# Allegro board BeagleBone_Green_Wireless_V1.0.brd (continued)
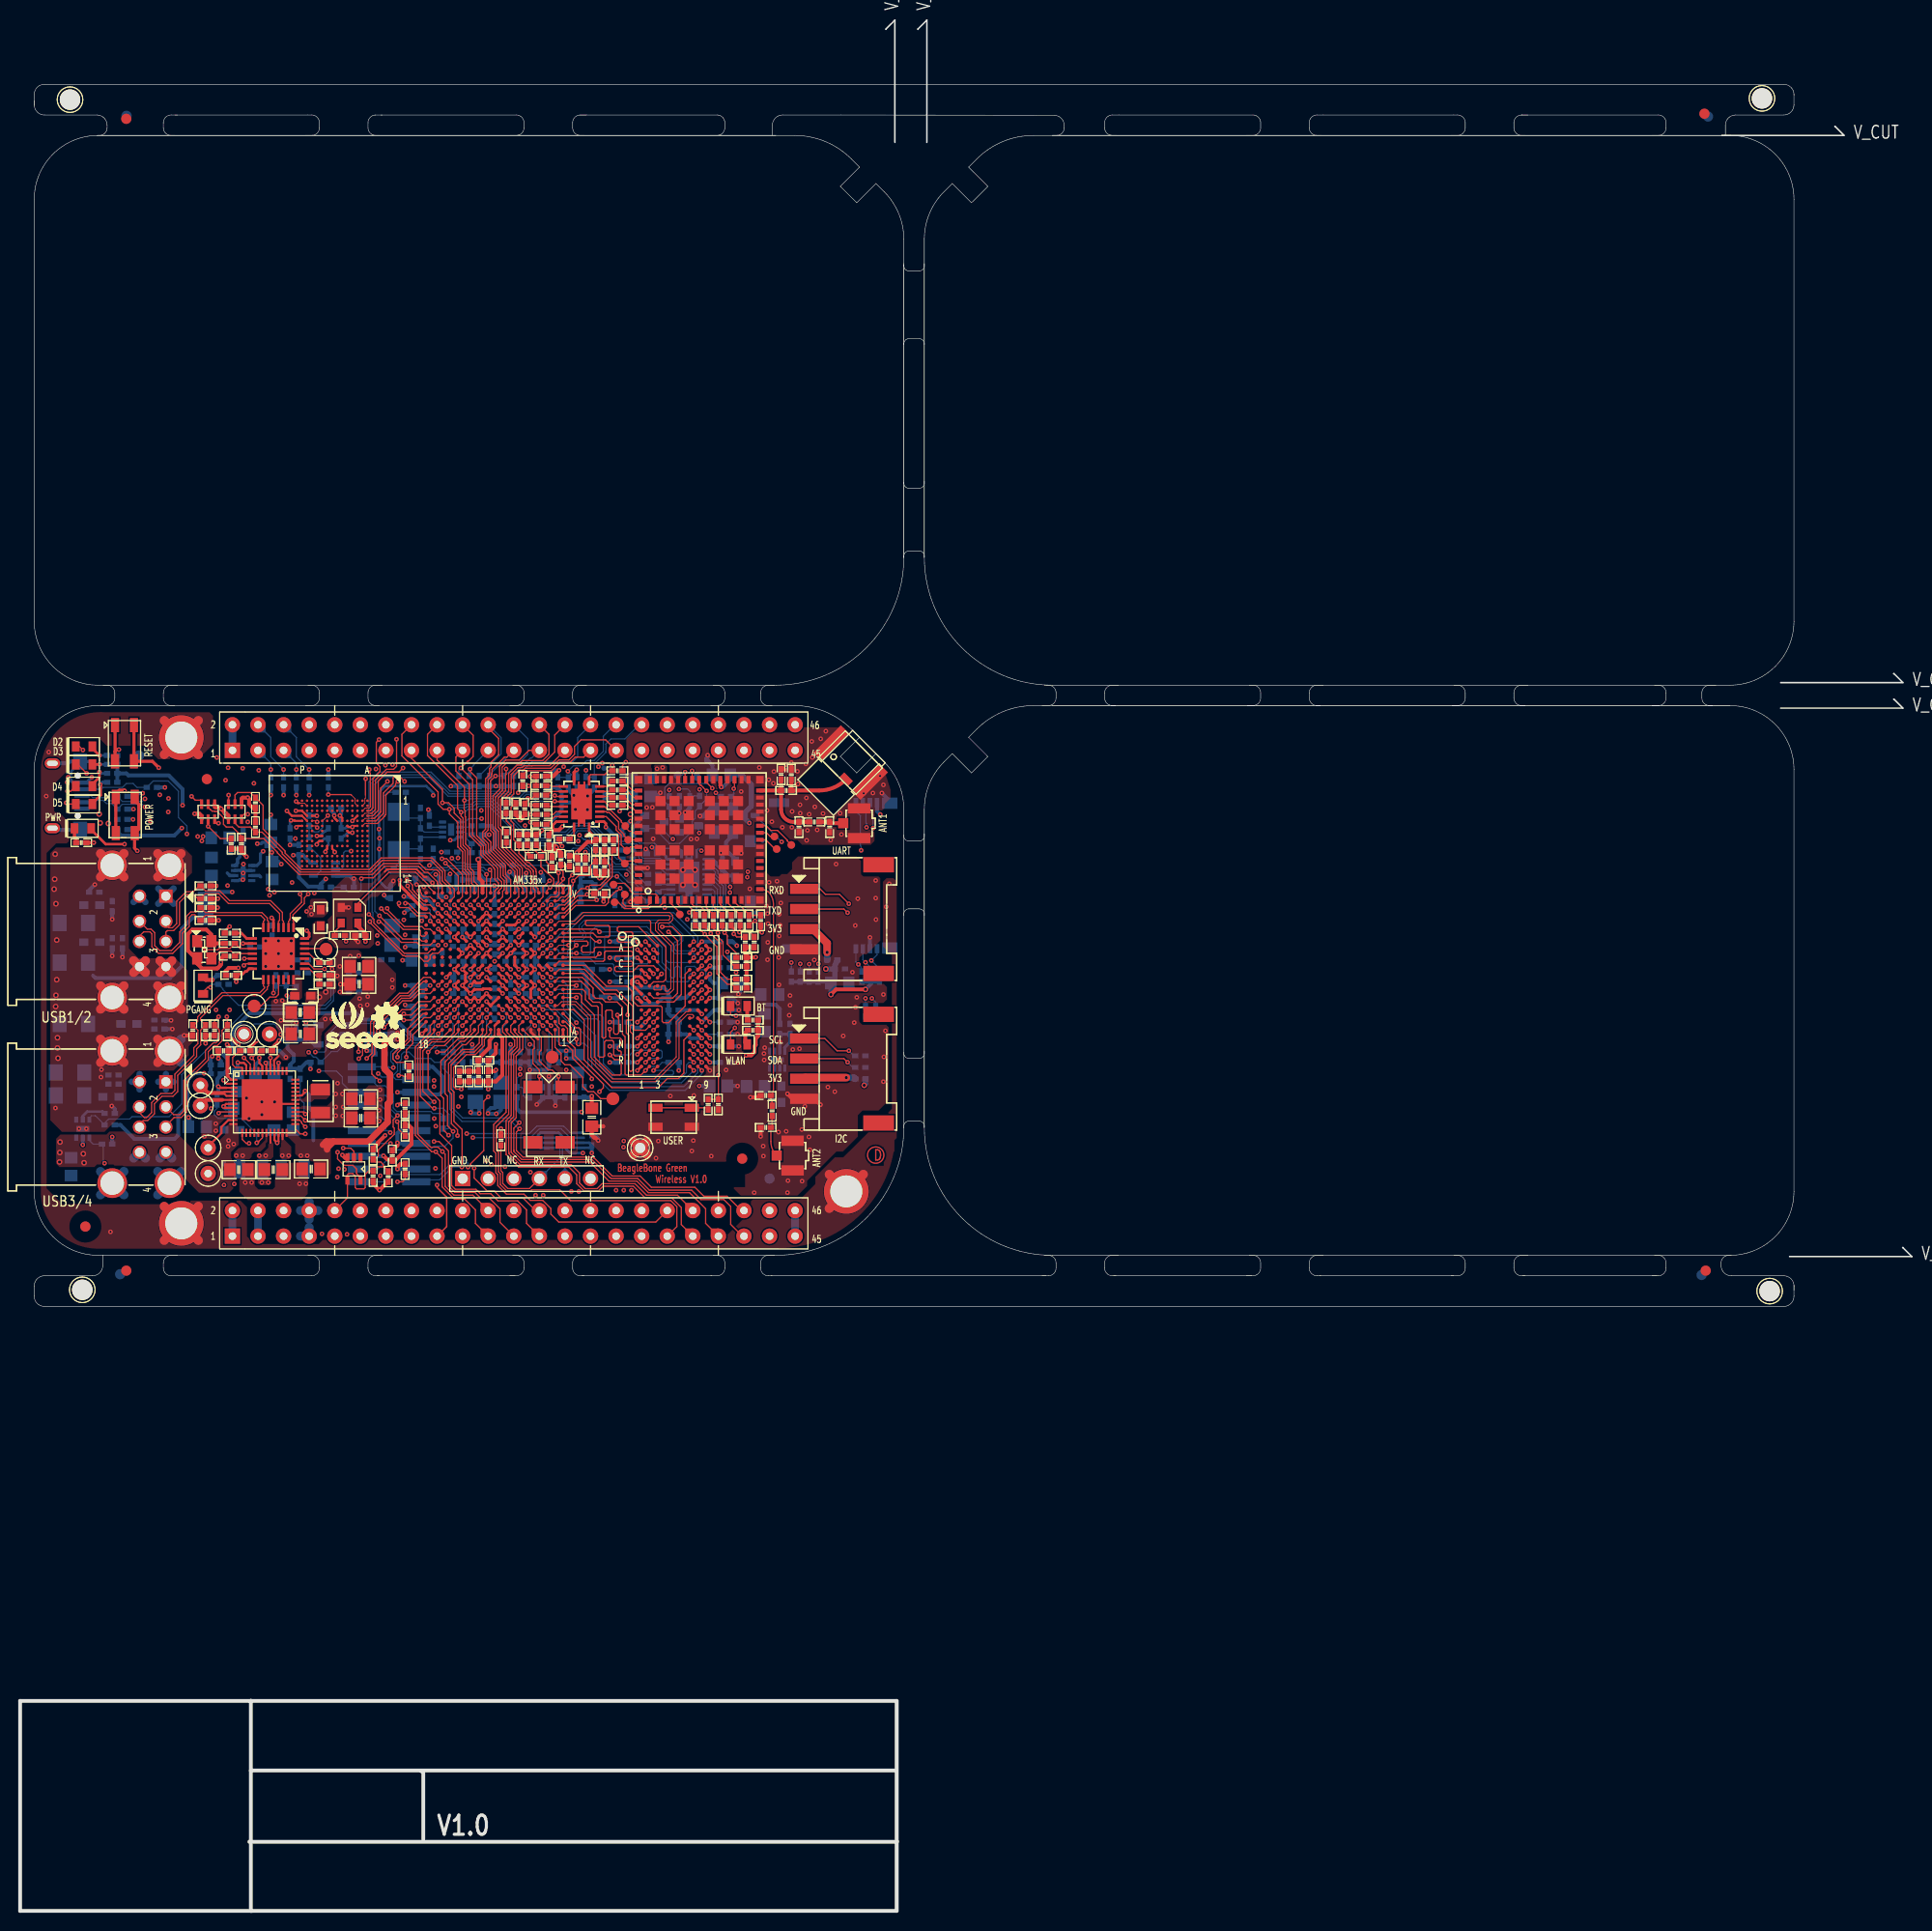
[diagram p0: board, top side]
## Routing (per net, layer and track width the routed paths; a pad name or vN(x,y) marks a point on that pad's centre or on a via; arc(x,y) is an arc through that point) (continued)
  BOTTOM w0.381: C44.2 C54.2 v1(38.23,91.94) ; P4.7 3.38,107.38 P4.8 ; P2.12 P2.10 37.71,77.51 37.46,77.26 v1(37.46,76.3) 37.53,76.24 P2.8 ; v1(67.7,89.09) U12.J8 C123.2 ; 34.42,85.45 35.18,85.45 ; 34.42,85.45 v1(34.42,85.45) ; 34.42,85.45 34.42,86.33 C62.1 35.18,86.33 35.18,85.45 ; 35.18,85.45 C64.2 ; C92.2 v1(49.66,83.65) ; C92.2 C105.2 C89.2 C91.2 C90.2 C59.2 ; C92.2 C104.2 v1(50.61,83.54) ; v1(24.99,105.16) 24.89,105.26 C126.1 ; C75.1 52.37,112.66 52.97,113.26 53.05,113.26 53.1,113.31 v1(53.52,113.31) ; v3(56.35,110.76) 57.02,111.43 R84.2 ; U7.2 31.31,87.03 30.86,86.59 v1(30.86,85.83) ; C81.2 49.28,102.67 48.74,103.2 48.62,103.2 v1(48.61,103.22) 48.49,103.1 48.49,103 48.39,102.9 C84.2 ; P10.12 77.84,95.59 ; v1(71.17,95.89) 70.76,96.29 C114.2 ; v1(69.6,105.11) 69.6,105.08 69.75,104.93 C174.2 ; C28.2 v1(58.55,93.54) ; C152.2 v1(27.43,88.24) ; v1(50.26,103.11) 50.22,103.07 50.22,102.51 C68.1 ; P10.13 86.36,110.26 v1(85.57,111.05) ; v1(38.15,99.16) 38.4,99.42 38.45,99.42 38.54,99.5 38.6,99.5 R49.1 ; P4.6 4.93,114.18 4.75,114 P4.9 ; v1(50.61,83.54) 52.27,83.54 52.51,83.79 R54.1 ; v1(50.61,83.54) R164.2 ; D21.1 v1(11.25,109.45) ; v1(71.27,90.17) 70.75,90.69 C117.2 ; C176.1 62.23,105.37 v1(62.12,105.49) ; R190.2 66.5,109.58 v1(66.04,109.12) 65.96,109.04 65.96,108.83 65.67,108.53 65.56,108.53 Q4.2 65.47,109.03 v1(65.46,109.04) 65.46,109.68 R189.2 ; C77.2 v1(37.97,94.44) ; v1(51.71,103.17) 51.71,103.08 51.92,102.87 C74.1 51.9,102.46 C76.1 ; P10.9 v1(74.22,99.07) ; v1(71.6,105.08) 71.12,105.56 C167.2 ; v1(31.19,108.81) 31.19,108.99 30.86,109.32 C130.2 ; v1(71.32,91.06) 71.5,91.24 C118.1 ; C168.1 68.76,113.8 68.36,114.2 68.12,114.2 68.12,114.45 68.28,114.6 v1(68.28,114.81) ; C173.2 60.83,107.62 61.46,108.24 61.46,108.34 61.94,108.83 Q3.2 ; R99.2 70.52,87.09 v1(71.25,87.09) ; D23.1 v1(14.38,111.61) ; v1(53.92,101.78) 53.75,101.96 R88.2 ; R80.2 54.43,111.38 v3(54.99,110.82) ; R30.1 C102.2 ; v1(64.39,86.33) C124.2 R100.2 ; R22.1 58.46,90.78 v1(58.55,90.69) C110.2 ; P2.4 v1(37.46,73.7) ; C108.2 v1(58.55,94.69) ; C125.2 v1(30.61,113.39) ; v1(42.7,103.02) 42.7,103 42.59,102.89 C80.2 ; C113.2 v1(58.55,84.29) ; v1(71.25,81.95) 71.24,81.95 C122.1 ; v1(38.23,95.74) 38.39,95.9 39.2,95.9 C45.2 C38.2 ; C191.2 v1(9.14,94.87) ; C61.1 57.28,102.84 v1(57.53,102.59) ; R29.1 41.02,104.24 v1(40.64,103.86) ; v1(9.09,79.96) 9.4,79.65 9.4,79.22 ; C111.2 v1(58.55,88.29) ; U24.5 v1(6.22,76.1) ; R170.2 v1(33.15,102.54) 33.02,102.54 32.73,102.83 U3.3 ; R197.2 67.06,98.02 66.8,98.27 ; C193.2 14.38,88.47 v1(14.99,88.47) ; C107.2 v1(58.55,96.29) ; P10.6 v1(84.39,96.71) ; v1(26.8,105.89) C158.2 ; v1(12.17,111.04) 11.75,111.04 11.43,110.72 D22.1 ; v1(38.23,90.01) 38.23,90.01 38.35,89.89 C82.2 C83.2 C85.2 ; C109.2 v1(58.55,92.29) ; v1(7.42,101.96) 6.86,101.4 C189.2 ; v1(37.46,81.32) P2.16 39.41,81.25 40.75,81.25 40.89,81.11 41.63,81.11 41.93,81.4 41.93,82.89 40.96,83.86 P2.20 ; C119.2 v1(71.37,89.49) ; C56.1 47.12,101.83 v1(47.09,101.85) 45.97,101.85 45.87,101.96 45.85,101.96 45.36,102.44 C106.2 C58.2 ; D9.2 v1(9.14,98.5) ; v1(38.1,100.79) 38.15,100.74 C86.2 ; C120.2 v1(71.37,85.89) ; 73.73,106.27 73.76,106.3 ; D12.1 v1(10.16,94.74) ; C16.2 19.94,84.43 v1(19.68,84.68) ; R96.1 v1(71.25,88.29) ; R221.1 v1(9.14,76.89) ; C121.2 v1(71.25,84.29) ; D15.2 v1(15.11,87.6) ; C170.1 63.22,110.72 v1(63.58,111.07) ; C71.1 40.49,102.59 v1(40.94,102.13) ; C69.1 36.78,101.98 37.06,102.26 v1(37.06,102.31) ; 55.3,113.34 v1(55.27,113.37) ; C112.2 v1(58.55,85.89) ; v1(45.59,79.22) 44.83,79.22 v1(44.73,79.32) 44.83,79.43 44.83,79.99 FB3.2 45.59,79.99 v1(45.59,79.22)
  BOTTOM w0.508: v1(67.51,108.76) 67.87,108.76 68.56,109.46 OSC1.2
  BOTTOM w0.635: C2.1 v1(16.71,78.82)
  BOTTOM w0.762: P9.45 P9.46 ; P8.1 P8.2 ; P9.1 P9.2
  BOTTOM w0.889: J8.S4 10.31,105.04 ; J8.S4 7.98,102.71 ; J8.S4 7.98,105.04 ; 15.99,84.27 J9.S1 15.99,86.6 ; 15.06,94.4 J8.A4 13.88,94.4 ; J8.S2 15.99,89.57 ; J8.S2 13.66,89.57 ; J8.S2 15.99,91.9 ; J8.S2 13.66,91.9 ; 10.31,91.9 J8.S3 10.31,89.57 ; 13.66,71.13 J9.S2 ; J9.S2 15.99,73.46 ; J9.S2 13.66,73.46 ; 15.06,74.78 J9.A4 13.88,74.78 ; J9.S3 10.31,73.46 ; J9.S3 10.31,71.13 ; J9.S3 7.98,73.46 ; J9.S3 7.98,71.13 ; 60.91,75.13 TP1.1 ; TP1.1 62.23,75.13 ; TP1.1 62.23,76.46 ; TP1.1 60.91,76.46 ; 12.44,94.4 J8.B4 11.26,94.4 ; 11.26,74.78 J9.B4 12.44,74.78
  vias: v1(3.51,79.76) v1(4.67,112.12) v1(5.84,77.7) v1(6.58,77.7) v1(8.03,82.83) v1(8.08,83.57) v1(11.21,108.43) v1(12.93,108.26) v1(13.87,110.87) v1(14.73,110.52) v1(14.71,109.17) v1(19.53,114.58) v1(19.46,89.51) v1(20.4,112.32) v1(20.65,113.56) v1(20.8,89.51) v1(22.1,113.51) v1(22.17,103.99) v1(22.35,72.36) v1(22.61,108.18) v1(22.99,72.36) v1(23.22,112.01) v1(23.7,113.31) v1(25.4,90.38) v1(25.91,88.47) v1(25.87,87.06) v1(26.04,90.42) v1(27.33,106.53) v1(27.75,72.24) v1(28.38,72.24) v1(29.21,101.12) v1(29.97,67.26) v1(31.75,93.83) v1(31.75,91.29) v1(32.46,67.21) v1(32.77,94.84) v1(33.63,94.89) v1(35.64,79.53) v1(35.74,81.56) v1(35.74,80.59) v1(35.66,78.47) v1(40.08,101.73) v1(42.27,95.96) v1(45.8,109.32) v1(54.23,83.54) v1(56.77,81.89) v1(62.22,109.61) v1(62.78,109.63) v1(62.87,106.5) v1(63.14,74.78) v1(63.37,76.48) v1(64.01,99.67) v1(64.57,80.95) v1(66.24,98.5) v1(66.62,106.48) v1(66.7,75.49) v1(66.9,81) v1(66.85,76.52) v1(67.21,106.5) v1(68.63,74.98) v1(70.1,83.54) v1(70.23,95.28) v1(71.09,93.22) v1(71.6,111.2) v1(72.46,101.53) v1(72.9,71.35) v1(73.41,113.59) v1(73.79,75.97) v1(73.81,74.98) v1(73.94,85.75) v1(73.86,85.17) v1(73.89,84.53) v1(74.12,99.82) v1(74.17,109.32) v1(74.24,96.22) v1(74.22,94.49) v1(74.35,112.37) v1(74.27,98.07) v1(74.37,102.18) v1(74.65,108.2) v1(74.8,112.01) v1(74.85,113.18) v1(75.16,102.29) v1(75.34,94.72) v1(75.31,77.37) v1(75.39,101.19) v1(75.39,99.01) v1(75.39,96.85) v1(75.36,92) v1(75.44,84.56) v1(75.54,100.13) v1(75.46,97.92) v1(75.69,107.65) v1(76.07,113.56) v1(76.07,77.44) v1(76.2,71.35) v1(76.25,72.54) v1(76.38,88.98) v1(76.45,90.93) v1(76.45,89.97) v1(76.63,107.65) v1(76.66,109.22) v1(76.73,85.57) v1(77.19,113.21) v1(77.24,111.94) v1(77.44,109.88) v1(77.39,85.65) v1(77.47,109.04) v1(77.62,77.62) v1(77.65,72.49) v1(77.93,79.93) v1(78.03,113.94) v1(78.08,110.57) v1(78.11,106.35) v1(78.18,107.34) v1(78.33,76.89) v1(78.36,108.94) v1(78.41,75.62) v1(78.61,116.18) v1(78.66,114.58) v1(78.92,109.68) v1(78.87,94.46) v1(79.15,107.39) v1(79.5,116.43) v1(79.73,109.02) v1(80.01,117.2) v1(80.21,81.84) v1(80.49,106.38) v1(80.9,81.38) v1(81.03,103.99) v1(81.43,109.04) v1(81.56,106.93) v1(81.74,86.92) v1(82.65,93.24) v1(82.83,88.24) v1(82.93,97.89) v1(82.96,89.76) v1(83.08,90.75) v1(83.19,100.56) v1(83.77,111.02) v1(84.68,111.05) v1(84.96,102.36) v1(84.96,100.61) v1(84.99,98.48) v1(85.39,112.75) v1(85.73,111.86) v1(85.73,91.03) v1(85.73,82.37) v1(85.78,84.84) v1(85.93,87.43) v2(3.43,102.49) v2(3.38,101.5) v2(3.48,104.98) v2(3.53,89.84) v2(3.56,100.05) v2(3.63,96.44) v2(3.63,92.51) v2(3.56,90.96) v2(3.71,86.74) v2(3.71,85.73) v2(3.76,84.71) v2(22.48,80.75) v2(22.73,78.71) v2(24,80.37) v2(24,79.1) v3(24.38,96.37) v3(24.38,95.1) v3(24.38,93.83) v3(25.65,96.37) v3(25.65,95.1) v3(25.65,93.83) v3(26.92,96.37) v3(26.92,95.1) v3(26.92,93.83) v3(55.14,109.42) v3(56.34,109.4) v3(65.82,103.42) v3(65.82,101.92) v3(67.02,103.42) v3(67.02,101.92)
GND_EARTH: length 105.4
  TOP w0.889: 14.31,66.61 MTG1.1 ; MTG1.1 17.7,70 ; MTG1.1 14.31,70 ; MTG1.1 17.7,66.61 ; 14.31,114.87 MTG3.1 ; MTG3.1 14.31,118.26 ; MTG3.1 17.7,114.87 ; MTG3.1 17.7,118.26 ; 80.35,73.17 MTG4.1 ; MTG4.1 83.74,73.17 ; MTG4.1 80.35,69.78
  LYR3 w0.889: MTG3.1 17.7,114.87 ; MTG3.1 14.31,114.87 ; MTG3.1 14.31,118.26 ; MTG3.1 17.7,118.26 ; 14.31,70 MTG1.1 ; MTG1.1 17.7,70 ; MTG1.1 14.31,66.61 ; MTG1.1 17.7,66.61 ; 80.35,69.78 MTG4.1 ; MTG4.1 80.35,73.17 ; MTG4.1 83.74,73.17
  LYR4 w0.889: MTG3.1 17.7,114.87 ; MTG3.1 14.31,114.87 ; MTG3.1 17.7,118.26 ; MTG3.1 14.31,118.26 ; 80.35,69.78 MTG4.1 ; MTG4.1 83.74,73.17 ; MTG4.1 80.35,73.17 ; 14.31,66.61 MTG1.1 ; MTG1.1 14.31,70 ; MTG1.1 17.7,66.61 ; MTG1.1 17.7,70
  BOTTOM w0.889: 14.31,66.61 MTG1.1 ; MTG1.1 17.7,66.61 ; MTG1.1 14.31,70 ; MTG1.1 17.7,70 ; 80.35,69.78 MTG4.1 ; MTG4.1 83.74,73.17 ; MTG4.1 80.35,73.17 ; 14.31,114.87 MTG3.1 ; MTG3.1 17.7,118.26 ; MTG3.1 17.7,114.87 ; MTG3.1 14.31,118.26
  vias: v1(2.59,110.74) v1(2.84,115.11) v1(8.97,67.46) v1(86,99.75) v1(86.31,102.03)
GND_OSC0: length 9
  TOP w0.381: v2(45.49,104.44) 45.59,104.34 45.59,102.57 45.92,102.24 U5.V11
  BOTTOM w0.381: v2(45.49,104.44) 45.85,104.8 R173.2 46.48,105.13 47.19,105.84 47.19,107.37 46.76,107.8 R174.2
GND_OSC1: length 7.3
  TOP w0.254: U5.A5 50.72,87.31 51.43,86.59
  BOTTOM w0.381: v1(51.31,80.11) 51.88,80.68 C21.1 52.51,80.81 ; C22.1 R30.2 ; C22.1 52.51,80.81 ; C22.1 v1(53.15,79.98) ; 52.51,80.81 v1(52.51,82.91)
GNDA_ADC: length 46.4
  TOP w0.254: v1(48.72,90.34) U5.E8
  TOP w0.305: 47.52,87.1 U5.A9
  TOP w0.381: C93.2 C33.2 C31.2 C32.2 ; C93.2 47.24,82.4 47.88,83.03 47.88,86.72 47.52,87.08 47.52,87.1 ; C93.2 v1(46.48,81.64)
  LYR4 w0.381: P9.34 60.64,68.49 58.73,68.49 57.91,69.31 57.91,69.95 55.35,72.51 55.35,73.03 54.08,74.3 51.16,74.3 48.44,77.01 48.44,79.78 46.58,81.64 v1(46.48,81.64) 46.48,84.05 47.88,85.45 47.88,87.73 47.24,88.37 47.24,89.89 47.69,90.34 v1(48.72,90.34)
  BOTTOM w0.381: FB3.1 46.23,82.27 46.48,82.02 v1(46.48,81.64)
VDD_1V8: length 15.7
  TOP w0.203: U2.40 25.26,83.95 25.22,83.99 25.22,84.48 25.67,84.94
  TOP w0.254: U5.E9 U5.D10 v1(46.32,90.34) ; U5.R16 41.54,99.11 v1(41.48,99.11) ; v1(41.52,97.54) U5.N16
  BOTTOM w0.305: v1(46.32,90.34) 47.01,89.64 C88.1 ; v1(41.48,99.11) 41.15,99.43 41.15,99.61 40.99,99.78 40.99,99.98 40.23,100.74 C86.1
  BOTTOM w0.381: R9.2 25.78,85.45 26.39,84.84 v1(26.39,84.79) ; 47.75,79.57 47.37,79.18 v1(47.28,79.18) 46.49,79.18 v1(46.46,79.22) 46.46,79.25 46.48,79.27 46.48,79.5 46.74,79.76 47.14,79.76 FB2.2 47.75,79.57
  vias: v1(30.3,88.6) v1(30.94,88.62) v1(35.46,96.9) v1(35.51,96.11) v1(38.1,98.45)
VDD_1V8_WIFI: length 45.1
  TOP w0.254: U21.2 57.99,108.21 58.17,108.03 v1(58.17,107.67)
  TOP w0.381: 72.14,94.72 72.14,95 71.96,95.17 71.96,95.68 R192.1 R191.1 ; 72.14,94.72 73.03,94.72 v1(73.05,94.74) ; 72.14,94.72 72.14,91.67 ; v1(69.62,111.63) 69.62,111.71 69.54,111.79 U18.38 ; R233.1 73.53,97.41 73.53,97.33 v1(73.66,97.21)
  LYR3 w0.508: v1(72.21,102.69) 72.26,102.74 v1(72.26,103.23) 72.26,107.44 72.42,107.59 v1(72.42,108.08)
  LYR4 w0.508: v1(60.62,108.27) 62.39,108.27 62.83,107.82 68.74,107.82 69.33,108.42 72.07,108.42 v1(72.42,108.08)
  BOTTOM w0.254: U22.2 68.84,104.47 69.14,104.17 69.14,103.91 69.62,103.43 C174.1
  BOTTOM w0.381: C174.1 70.33,102.84 70.83,102.84 L4.2 ; v1(69.62,111.63) 69.77,111.63 70.54,112.4 C168.2 ; v1(60.62,108.27) 59.82,107.47 C173.1 58.95,106.88 v1(58.17,107.67) ; 74.12,90.02 75.03,90.02 75.44,89.61 R214.1
  BOTTOM w0.508: C168.2 71.65,112.85 72.61,111.9 72.61,109.74 72.01,109.15 72.01,108.48 v1(72.42,108.08)
VDD_3V3_WIFI: length 37.6
  TOP w0.254: U21.19 53.24,108.21 52.91,107.87 52.91,107.37
  TOP w0.381: v1(72.09,84.99) 72.59,84.99 72.93,85.33 72.93,85.91 73.05,86.03 73.05,86.68 73.28,86.91 R230.1 R229.1 ; C175.2 52.91,107.37 53.5,107.37 v1(53.85,107.71)
  LYR4 w0.508: v1(72.09,84.99) 72.09,100.99 68.81,104.27 64.14,104.27 v1(62.74,105.66)
  BOTTOM w0.254: U22.19 64.29,104.47 64.14,104.62 64.14,104.75 63.88,105 63.25,105
  BOTTOM w0.381: 63.25,105 63.25,105.28 62.87,105.66 v1(62.74,105.66)
  vias: v1(59.54,109.25) v1(63.25,113.46) v1(63.8,113.59) v2(60.6,108.94)
VDD_3V3A: length 106.9
  TOP w0.203: v1(23.76,84.75) 23.76,84.23 24.06,83.93 U2.43
  TOP w0.254: U5.P11 v1(46.32,98.34) U5.P10 ; U5.E10 v1(46.32,91.14) U5.E11 v1(45.52,90.34) U5.E12 v1(44.72,90.34) U5.E13 ; U5.N5 v1(51.12,96.74) ; U5.K14 v1(43.92,95.14) U5.L14 ; U5.J14 v1(43.12,93.54) U5.H14 ; U5.P5 v1(51.12,98.34) ; U5.G14 v1(43.12,91.94) U5.F14 ; v1(49.52,98.34) U5.P7 U5.P8 ; v1(42.3,99.15) U5.R15 ; U5.P13 v1(43.92,98.34) ; U5.P12 v1(44.72,98.34) ; U5.P6 v1(50.32,98.34) ; v1(42.32,97.54) U5.N15
  TOP w0.381: R66.1 R65.1 R62.1 56.95,106.2 56.35,106.2 v1(55.3,105.14) 55.37,105.07 R61.1 55.24,104.5 55.11,104.64 55.09,104.64 54.92,104.8 R60.1 ; Y4.4 33.54,97.83 34.21,97.16 34.21,96.98 C159.1 v1(34.29,96.29) ; v1(36.25,77.04) 35.53,76.32 35.53,76.21 35.05,75.73 R14.1 ; R1.1 25.02,85.7 25.7,86.39 v1(25.7,86.46) ; R56.1 R57.1 R58.1 51.32,107.01 51.49,107.01 v1(51.81,107.34)
  LYR3 w0.381: v1(23.76,84.75) 23.62,84.62 23.62,84.33 22.91,83.62 18.85,83.62 18.44,83.21 v1(18.26,83.21)
  LYR4 w0.305: v1(24.13,105.27) 24.13,105.41 24.44,105.71 25.6,105.71 26.44,104.88 v1(27.13,104.88)
  BOTTOM w0.254: v1(42.71,106.37) 43.12,106.37 43.42,106.67 U17.8
  BOTTOM w0.305: v1(46.32,98.34) 47.01,99.03 C56.2 ; C66.1 44.02,95.78 44.02,95.24 v1(43.92,95.14) ; C70.2 43.12,91.24 v1(43.12,91.94) 43.12,92.63 C60.2 43.12,92.84 v1(43.12,93.54) ; v1(24.13,105.27) 23.86,105 23.86,104.2 23.51,103.85 U20.5 ; C72.2 46.82,90.63 v1(46.32,91.14) ; C158.1 v1(27.13,104.88)
  BOTTOM w0.381: v1(40.54,109.4) 40.56,109.4 40.64,109.32 R171.1 ; 9.4,78.08 9.96,78.08 11.35,76.68 15.32,76.68 15.7,77.06 15.7,79.02 16.64,79.96 16.64,82.55 17.3,83.21 v1(18.26,83.21) ; C75.2 R55.1 53.39,111.54 53.78,111.16 53.78,110.54 ; R59.1 C57.2 55.3,111.54 55.75,111.09 55.75,110.62 55.24,110.11 53.78,110.11 ; 55.65,102.21 55.67,102.23 56.75,102.23 R70.1 R69.1 ; 55.65,102.21 55.65,102.74 C61.2 R67.1 55.75,104.06 55.3,104.52 v1(55.3,105.14) ; 55.65,102.21 R63.1 R68.1 R64.1 ; 53.78,110.54 53.78,110.11 ; 53.78,110.54 53.79,110.54 ; 53.78,110.11 53.78,109.3 v1(51.81,107.34) ; C15.2 23.37,84.05 23.76,84.44 v1(23.76,84.75) ; v1(30.35,102.51) 29.84,102.01 R169.2 29.79,101.75 28.6,101.75 27.69,102.67 C158.1 28.07,104.88 28.81,104.13 U3.5 ; C73.2 51.23,96.84 v1(51.12,96.74) ; R156.1 25.77,86.53 v1(25.7,86.46) ; R156.1 C152.1 28.38,86.53 ; R156.1 26.54,86.46 26.54,85.7 27.18,85.06 27.18,84.43 26.8,84.05 C37.1 R3.1 28.45,84.3 R4.1 v1(28.83,83.64) ; C71.2 39.24,102.08 v1(39.37,101.96) ; R175.1 R172.1 v1(46.58,106.91) ; v1(36.14,100.91) 36.45,100.61 C69.2 ; 28.38,86.53 v1(28.38,88.24) ; 28.38,86.53 28.77,86.53 29.21,86.08 U7.4 ; C59.1 v1(44.89,86.08)
VDD_3V3AUX: length 35.5
  TOP w0.203: U2.1 20.98,82.57 20.6,82.95
  TOP w0.254: D1.2 7.05,107.42 8.5,105.97 v1(10.36,105.97)
  TOP w0.381: 20.6,82.95 20.6,84.94 20.7,85.04 C18.1 20.7,85.88 20.57,86 20.57,86.06 v1(20.55,86.08)
  LYR4 w0.254: v1(10.36,105.97) 12.07,105.97 12.37,105.67 12.37,105.66 13.03,105 13.03,89.54 13.61,88.95 16.56,88.95 19.43,86.08 v1(20.55,86.08)
VDD_3V3B: length 124.3
  TOP w0.203: v1(26.9,108.33) 27.23,108.33 27.27,108.29 U13.P5 ; U13.K9 29.7,106.29 29.46,106.05 29.46,105.96 29.46,105.95 v1(29.46,105.94) ; v1(30.32,105.21) 30.33,105.22 30.33,105.36 30.49,105.52 U13.J10 ; U13.N4 U13.P3 v1(27.38,109.29) ; U13.C6 33.11,107.79 33,107.68 v1(32.99,107.68) 32.6,107.68 U13.E6 ; v1(31.75,108.81) 31.99,108.57 U13.F5 ; U13.M4 v1(29.46,108.79)
  TOP w0.381: v2(83.95,91.54) 81.03,91.54 v2(80.52,91.03) ; v1(36.09,75.01) 36.45,74.65 36.83,74.65 C29.1 37.21,74.52 38.86,76.17 38.86,77.76 38.61,78.02 R23.1 38.23,79.22
  LYR3 w0.381: v1(56.77,75.29) 56.13,74.65 55.43,74.65 54.97,75.11 49.59,75.11 49.58,75.12 47.6,75.12 46.92,75.8 43.07,75.8 43.03,75.76 43.02,75.76 42.04,74.78 41.02,74.78 40.83,74.97 36.64,74.97 36.59,75.01 v1(36.09,75.01)
  LYR3 w0.635: v1(85.42,108.92) 85.45,108.89 85.45,104.95 81.15,100.66 81.15,94.72 v2(80.01,93.57)
  LYR4 w0.381: v1(55.75,79.36) 55.75,78.21 56.77,77.19 v1(56.77,75.29)
  LYR4 w0.508: v2(83.82,82.02) 83.82,86.08 80.52,89.38 v2(80.52,91.03)
  LYR5_PWR w0.889: 24.28,67.69 P9.3 22.96,67.69 ; 22.96,68.91 P9.4 ; P9.4 24.28,68.91 ; P9.4 22.96,70.23 ; P9.4 24.28,70.23
  BOTTOM w0.254: U15.8 56.53,75.81 C155.2 56.51,76.31 U15.7 ; v1(31.75,108.81) 31.75,108.32 31.88,108.19 C129.1 32.27,107.54 32.4,107.68 v1(32.99,107.68) ; v1(26.9,108.33) 26.8,108.23 C127.1 ; v1(29.46,105.94) 29.46,105.95 29.46,106.03 29.72,106.29 29.97,106.29 30.21,106.53 C128.1 30.61,105.88 30.49,105.77 30.49,105.52 30.33,105.36 30.33,105.22 v1(30.32,105.21)
  BOTTOM w0.381: v1(55.75,79.36) 55.74,79.35 49.66,79.35 49.34,79.67 R163.1 ; v1(31.75,108.81) 31.88,108.94 C130.1 ; v2(83.95,91.54) 84.46,92.05 R153.1 ; P2.5 35.93,74.97 35.97,75.01 v1(36.09,75.01) ; R157.2 R150.1 R155.1 R151.1 80.39,92.3 80.52,92.18 ; R101.1 R102.1 v1(47.24,111.73) R105.1 R106.1 R110.1 R109.1 v1(42.77,111.73) ; R153.1 R152.1 ; R153.1 R154.1 ; R111.1 29.44,108.81 v1(29.46,108.79) ; R104.1 v1(28.7,110.85) ; R103.1 v1(27.43,110.85) ; R107.1 v1(24.89,110.85) ; v1(85.42,108.92) 85.09,109.24 P10.4 ; R108.1 v1(26.16,110.85) ; C155.2 v1(56.77,75.29) ; C126.2 v1(24.89,108.89)
  BOTTOM w0.508: C154.1 80.9,93.95 81,94.05 81,94.18 81.15,94.34 R232.2 ; C154.1 80.9,92.56 80.52,92.18 v2(80.52,91.03) ; C154.1 v2(80.01,93.57) ; v2(83.82,82.02) 83.95,82.14 R231.2 ; 58,113.51 57.96,113.51
  BOTTOM w0.762: P9.3 P9.4
  vias: v1(17.63,106.73) v1(18.04,106.29) v1(18.16,106.73) v1(57.42,113.67) v1(57.81,114.02)
VDD_5V: length 6.5
  TOP w0.203: U2.10 20.32,78.97
  LYR4 w0.889: P9.6 26.82,68.91 ; P9.6 25.5,70.23 ; P9.6 26.82,70.23 ; P9.6 25.5,68.91 ; 25.5,67.69 P9.5 26.82,67.69
  vias: v1(18.29,76.94) v1(19.43,78.21) v1(19.43,77.5)
VDD_ADC: length 33.1
  TOP w0.254: v1(48.72,89.54) U5.D8
  TOP w0.381: v1(47.24,86.08) 47.24,86.07 47.24,85.22 R27.1 46.48,84.46 C93.1 47.12,83.41 v1(47.24,83.54)
  LYR3 w0.381: v1(48.72,89.54) 48.11,90.14 47.62,90.14 47.24,89.76 v1(47.24,86.08)
  LYR4 w0.381: v1(47.24,83.54) 47.24,82.3 49,80.54 49,77.22 51.36,74.85 54.48,74.85 55.47,73.86 57.05,73.86 58.55,72.37 58.55,70.21 P9.32
  BOTTOM w0.381: v1(47.24,83.54) 47.24,82.78 47.75,82.27 FB2.1
VDD_CORE: length 28.3
  TOP w0.254: U5.N9 v1(47.92,97.54) U5.N8 ; v1(48.72,95.94) U5.L8 ; v1(49.52,91.94) U5.G7 ; U5.G10 v1(46.32,92.74) ; U5.F6 v1(50.32,91.94) U5.G6 ; U5.N13 v1(44.72,96.74) U5.N12 ; U5.K6 v1(50.32,95.14) U5.L6 ; U5.H11 v1(45.52,92.74) ; U5.J12 v1(44.72,93.54) ; U5.K12 v1(45.52,95.14) ; v1(47.92,95.94) U5.L9 ; U5.L7 v1(48.72,95.14) U5.K8 ; U5.M11 v1(46.32,95.94) ; U5.F7 v1(49.52,91.14) ; U5.M13 v1(43.92,96.74)
  BOTTOM w0.305: v1(47.92,95.94) 47.23,95.94 C47.1 47.01,95.94 v1(46.32,95.94) ; C41.1 43.92,97.43 v1(43.92,96.74) v1(44.72,96.74) ; C49.1 46.42,92.63 v1(46.32,92.74) ; v1(50.32,91.94) v1(49.52,91.94) v1(49.52,91.14) 48.83,91.14 C50.1 ; C42.1 47.22,97.94 47.52,97.94 v1(47.92,97.54) ; C48.1 48.32,94.44 U5.K8 v1(48.72,95.14) v1(50.32,95.14) ; v1(45.52,92.74) v1(44.72,93.54) 45.01,93.83 C46.1 45.01,94.63 v1(45.52,95.14) ; C45.1 40.34,95.94 v1(41.52,95.94) ; C43.1 v1(48.72,95.94)
  BOTTOM w0.381: C44.1 C54.1 v1(40.72,91.94)
  vias: v1(31.34,81.15) v1(31.34,79.86) v1(31.34,78.99) v1(31.52,82.22) v1(32,81.15) v1(32.03,78.97) v1(32.08,79.86) v1(33.71,90.63) v1(33.78,89.92) v1(34.52,90.83) v1(34.47,90.02) v1(36.96,92.49) v1(36.96,91.73)
VDD_MPU: length 29.6
  TOP w0.254: U5.J13 v1(43.92,93.54) U5.H13 44.21,93.03 44.21,92.44 U5.G13 v1(43.92,91.94) U5.F13 v1(44.72,91.14) U5.F12 U5.F11 45.98,91.6 46.65,91.6 U5.F10
  TOP w0.635: 36.8,86.69 36.18,86.06 36.18,83.71 36.22,83.66 36.22,83.61 36.73,83.1 36.73,80.4 36.5,80.16 36.5,78.36 34.57,76.43 31.11,76.43 ; 31.11,76.43 30.4,76.43 30.07,76.1 ; 31.11,76.43 30.48,75.79 30.48,75.64
  BOTTOM w0.305: v1(44.72,91.14) 44.82,91.03 C63.1
  BOTTOM w0.381: C62.2 36.58,86.97 36.83,87.22 v1(37.48,87.22) v1(37.48,86.59) 36.7,86.59 C62.2 ; C62.2 36.2,86.33 C64.1 ; C65.1 44.02,93.64 v1(43.92,93.54)
  vias: v1(27.88,75.03) v1(28.51,75.03)
VDD_MPUON: length 10.6
  TOP w0.121: TP2.1 57.66,80.68 56.97,81.38 56.39,81.38 55.88,81.89 55.88,82.78 54.61,84.05 54.1,84.05 53.72,84.43 53.72,85.19 53.12,85.8 U5.A2
VDD_PLL: length 12.5
  TOP w0.254: U5.R10 46.72,98.75 v1(46.32,99.14) U5.R11 v1(45.52,98.34) ; U5.H15 v1(42.32,92.74) ; v1(49.52,90.34) U5.E7
  LYR3 w0.381: v1(46.32,99.14) v1(45.52,98.34) 44.69,97.51 43.05,97.51 42.62,97.08 42.61,97.08 42.54,97.01 40.19,97.01 40.14,96.96 v1(38.23,96.96)
  BOTTOM w0.305: C94.1 v1(45.52,98.34)
VDD_RTC: length 5.4
  TOP w0.254: v1(50.32,89.54) U5.D6
  BOTTOM w0.121: C104.1 50.15,85.78 50.15,87.42 50.72,87.99 50.72,88.66 50.72,89.13 v1(50.32,89.54)
VDDS: length 42
  TOP w0.254: U5.E6 v1(50.32,90.34) ; v1(44.72,95.14) U5.K13 ; v1(47.92,91.14) U5.F9 ; v1(47.92,98.34) U5.P9 ; U5.E14 v1(43.12,90.34) ; U5.N6 v1(49.52,96.74) ; v1(43.12,98.34) U5.P14
  LYR5_PWR w0.305: v1(47.12,94.34) 46.86,94.59 45.26,94.59 v1(44.72,95.14)
  BOTTOM w0.121: 42.72,100.39 42.72,98.74
  BOTTOM w0.254: 42.72,98.74 v1(43.12,98.34)
  BOTTOM w0.305: 42.83,101.22 42.83,100.5 42.72,100.39
  BOTTOM w0.381: 47.37,102.41 46.96,102.41 46.96,102.41 46.52,102.41 46.51,102.41 46.15,102.41 46.12,102.44 46.09,102.44 45.78,102.75 45.78,102.78 45.69,102.88 45.69,102.89 45.5,103.08 43.53,103.08 43.31,102.86 43.31,101.6 42.93,101.22 42.83,101.22 C80.1 ; 40.64,87.86 40.64,86.97 40.28,86.6 39.23,86.6 37.29,88.54 33.99,88.54 33.35,89.18 22.78,89.18 21.08,87.48 21.08,85.57 R8.2 R9.1
VDDS_DDR: length 52.1
  TOP w0.254: v1(61.3,84.29) U12.R1 ; v1(61.3,96.29) U12.A1 ; v1(68.5,90.69) U12.H9 ; U5.E5 U5.F5 v1(51.12,91.94) U5.G5 ; v1(68.5,93.89) U12.D9 ; v1(62.1,95.49) U12.B2 ; v1(68.5,93.09) U12.E9 ; v1(62.1,88.29) U12.K2 ; v1(66.9,91.49) U12.G7 ; U5.L5 v1(51.12,95.14) U5.K5 ; v1(62.9,93.09) U12.D2 ; U5.H5 v1(51.12,93.54) U5.J5 ; v1(67.7,88.29) U12.K8 ; v1(68.5,94.69) U12.C9 ; v1(68.5,84.29) U12.R9 ; v1(61.3,94.69) U12.C1 ; v1(68.5,85.89) U12.N9 ; v1(61.3,92.29) U12.F1 ; v1(61.3,85.89) U12.N1 ; v1(67.7,96.29) U12.A8
  TOP w0.305: v1(62.1,90.69) U12.H2
  TOP w0.381: C96.2 v1(56.77,80.94)
  BOTTOM w0.305: C97.1 51.12,95.83 v1(51.12,95.14) 51.12,94.44 C98.1 51.12,94.23 v1(51.12,93.54) 51.12,92.84 C99.1 51.12,92.63 v1(51.12,91.94) 51.12,91.24 C100.1
  BOTTOM w0.381: C110.1 60.55,90.69 61.08,91.22 61.52,91.22 61.53,91.21 61.58,91.21 v1(62.1,90.69) ; v1(56.77,80.94) 56.64,80.81 C103.1 C102.1 ; v1(68.5,84.29) C121.1 ; R98.1 66.1,90.69 v1(66.9,91.49) ; C109.1 v1(61.3,92.29) ; v1(68.5,85.89) C120.1 ; C122.2 v1(67.44,81.95) ; v1(62.1,88.29) 61.54,87.73 60.88,87.73 C111.1 ; v1(54.23,85.45) 54.99,85.45 C95.2 54.99,84.68 v1(54.23,84.68) v1(54.23,85.45) ; v1(54.23,85.45) 53.59,85.45 C101.1 ; v1(68.5,94.69) C115.1 ; v1(61.3,85.89) C112.1 ; v1(67.7,88.29) 68.9,89.49 C119.1 ; v1(68.5,90.69) C117.1 69.37,90.79 69.37,91.64 69.72,92 C118.2 68.83,92.18 68.5,92.51 v1(68.5,93.09) ; v1(68.5,93.89) 68.69,93.7 C116.1 ; C107.1 v1(61.3,96.29) ; C114.1 v1(67.7,96.29) ; C113.1 v1(61.3,84.29) ; R97.1 v1(65.41,83.49) ; v1(61.3,94.69) C108.1
  vias: v1(20.24,72.11) v1(21.26,72.21) v1(24,72.36) v1(24.64,72.36) v1(51.18,71.09) v1(51.94,71.09) v1(54.74,71.48) v1(55.49,71.46) v1(59.18,71.59) v1(59.94,71.59) v1(60.71,71.59)
AIN0: length 38.7
  TOP w0.121: P9.39 68.07,68.3 68.07,69.75 66.47,71.35 62.38,71.35 61.23,72.5 58.46,72.5 56.57,74.39 49.72,74.39 48.78,75.33 48.78,75.4 48.77,75.41 48.77,78.3 49.26,78.79 49.26,84.92 49.91,85.57 49.91,86.89 49.52,87.29 49.52,87.94 U5.B6
AIN1: length 32
  TOP w0.121: v1(49.52,88.73) U5.C7
  LYR4 w0.133: v1(49.52,88.73) 49.91,88.34 49.91,87.6 51.82,85.7 52.58,85.7 54,84.28 56.16,84.28 58.93,81.51 58.93,75.9 63.6,71.22 67.69,71.22 P9.40
AIN2: length 37.9
  TOP w0.121: U5.B7 48.72,87.94 48.72,87.32 49.35,86.69 49.35,85.78 48.76,85.19 48.76,79.01 48.26,78.51 48.26,75.16 48.29,75.13 48.29,75.13 49.52,73.9 49.52,73.9 49.53,73.89 54.5,73.89 55.27,73.12 55.27,72.25 56.02,71.5 57.4,71.5 57.89,71.99 60.9,71.99 62.05,70.84 64.68,70.84 65.66,69.87 65.66,68.17 P9.37
AIN3: length 34.6
  TOP w0.121: P9.38 65.28,71.09 62.2,71.09 61.06,72.24 57.78,72.24 57.3,71.75 56.12,71.75 55.55,72.32 55.55,73.3 54.71,74.14 49.62,74.14 48.53,75.23 48.53,75.3 48.52,75.31 48.52,75.41 48.51,75.41 48.51,78.4 48.79,78.67 48.79,78.67 49.01,78.89 49.01,85.05 49.6,85.64 49.6,86.82 49.12,87.31 U5.A7
AIN4: length 31.1
  TOP w0.121: U5.C8 v1(48.72,88.73)
  LYR4 w0.133: P9.33 62.99,68.3 62.99,71.15 58.55,75.59 58.55,81.45 56.05,83.95 53.93,83.95 52.56,85.32 50.67,85.32 49.53,86.46 49.53,87.92 v1(48.72,88.73)
AIN5: length 36.4
  TOP w0.121: U5.B8 47.92,87.94 47.92,87.31 48.26,86.97 48.26,79.35 47.03,78.12 47.03,75.48 47.24,75.27 47.24,73.33 47.43,73.14 47.43,72.06 48.3,71.2 50.04,71.2 50.65,70.59 51.89,70.59 52.7,69.77 52.7,69.22 53.49,68.43 63.12,68.43 P9.36
AIN6: length 38.5
  TOP w0.121: U5.A8 48.32,87.29 49.1,86.51 49.1,85.91 48.51,85.32 48.51,79.15 47.28,77.91 47.28,75.58 47.49,75.37 47.49,73.43 47.68,73.24 47.68,72.16 48.34,71.51 50.67,71.51 50.79,71.63 53.59,71.63 54.66,70.56 64.61,70.56 65.21,69.96 65.21,67.98 P9.35
AIN7: length 10.4
  TOP w0.121: U5.C9 v1(47.92,88.74)
  LYR4 w0.133: v1(49.66,83.1) 49.63,83.13 49.56,83.13 49.15,83.54 49.15,87.5 v1(47.92,88.73)
  BOTTOM w0.121: v1(49.66,83.1) 49.66,83.03 49.34,82.72 R163.2 49.78,81.83 49.97,81.64 49.97,81 50.16,80.81 R164.1
B_UART0_RX: length 13.5
  TOP w0.121: R165.1 47.75,75.48 47.74,75.47 47.74,73.53 47.93,73.34 47.93,72.27 48.44,71.76 50.57,71.76 J1.4
  BOTTOM w0.121: J1.4 53.59,74.78 53.59,76.05 53.33,76.31 U15.2
